# Altium PCB HMI_F767_V1.0_edited.PcbDoc (part 2 of 3)
Units mm, origin at the board's own origin, x right, y up, seen from the top; angles counter-clockwise.
Board outline 215.87 x 145.41 mm, 2 copper layers (Top Layer, Bottom Layer), stack 1.635 mm thick; 236 components, 218 nets, 1089 pads, 471 vias.
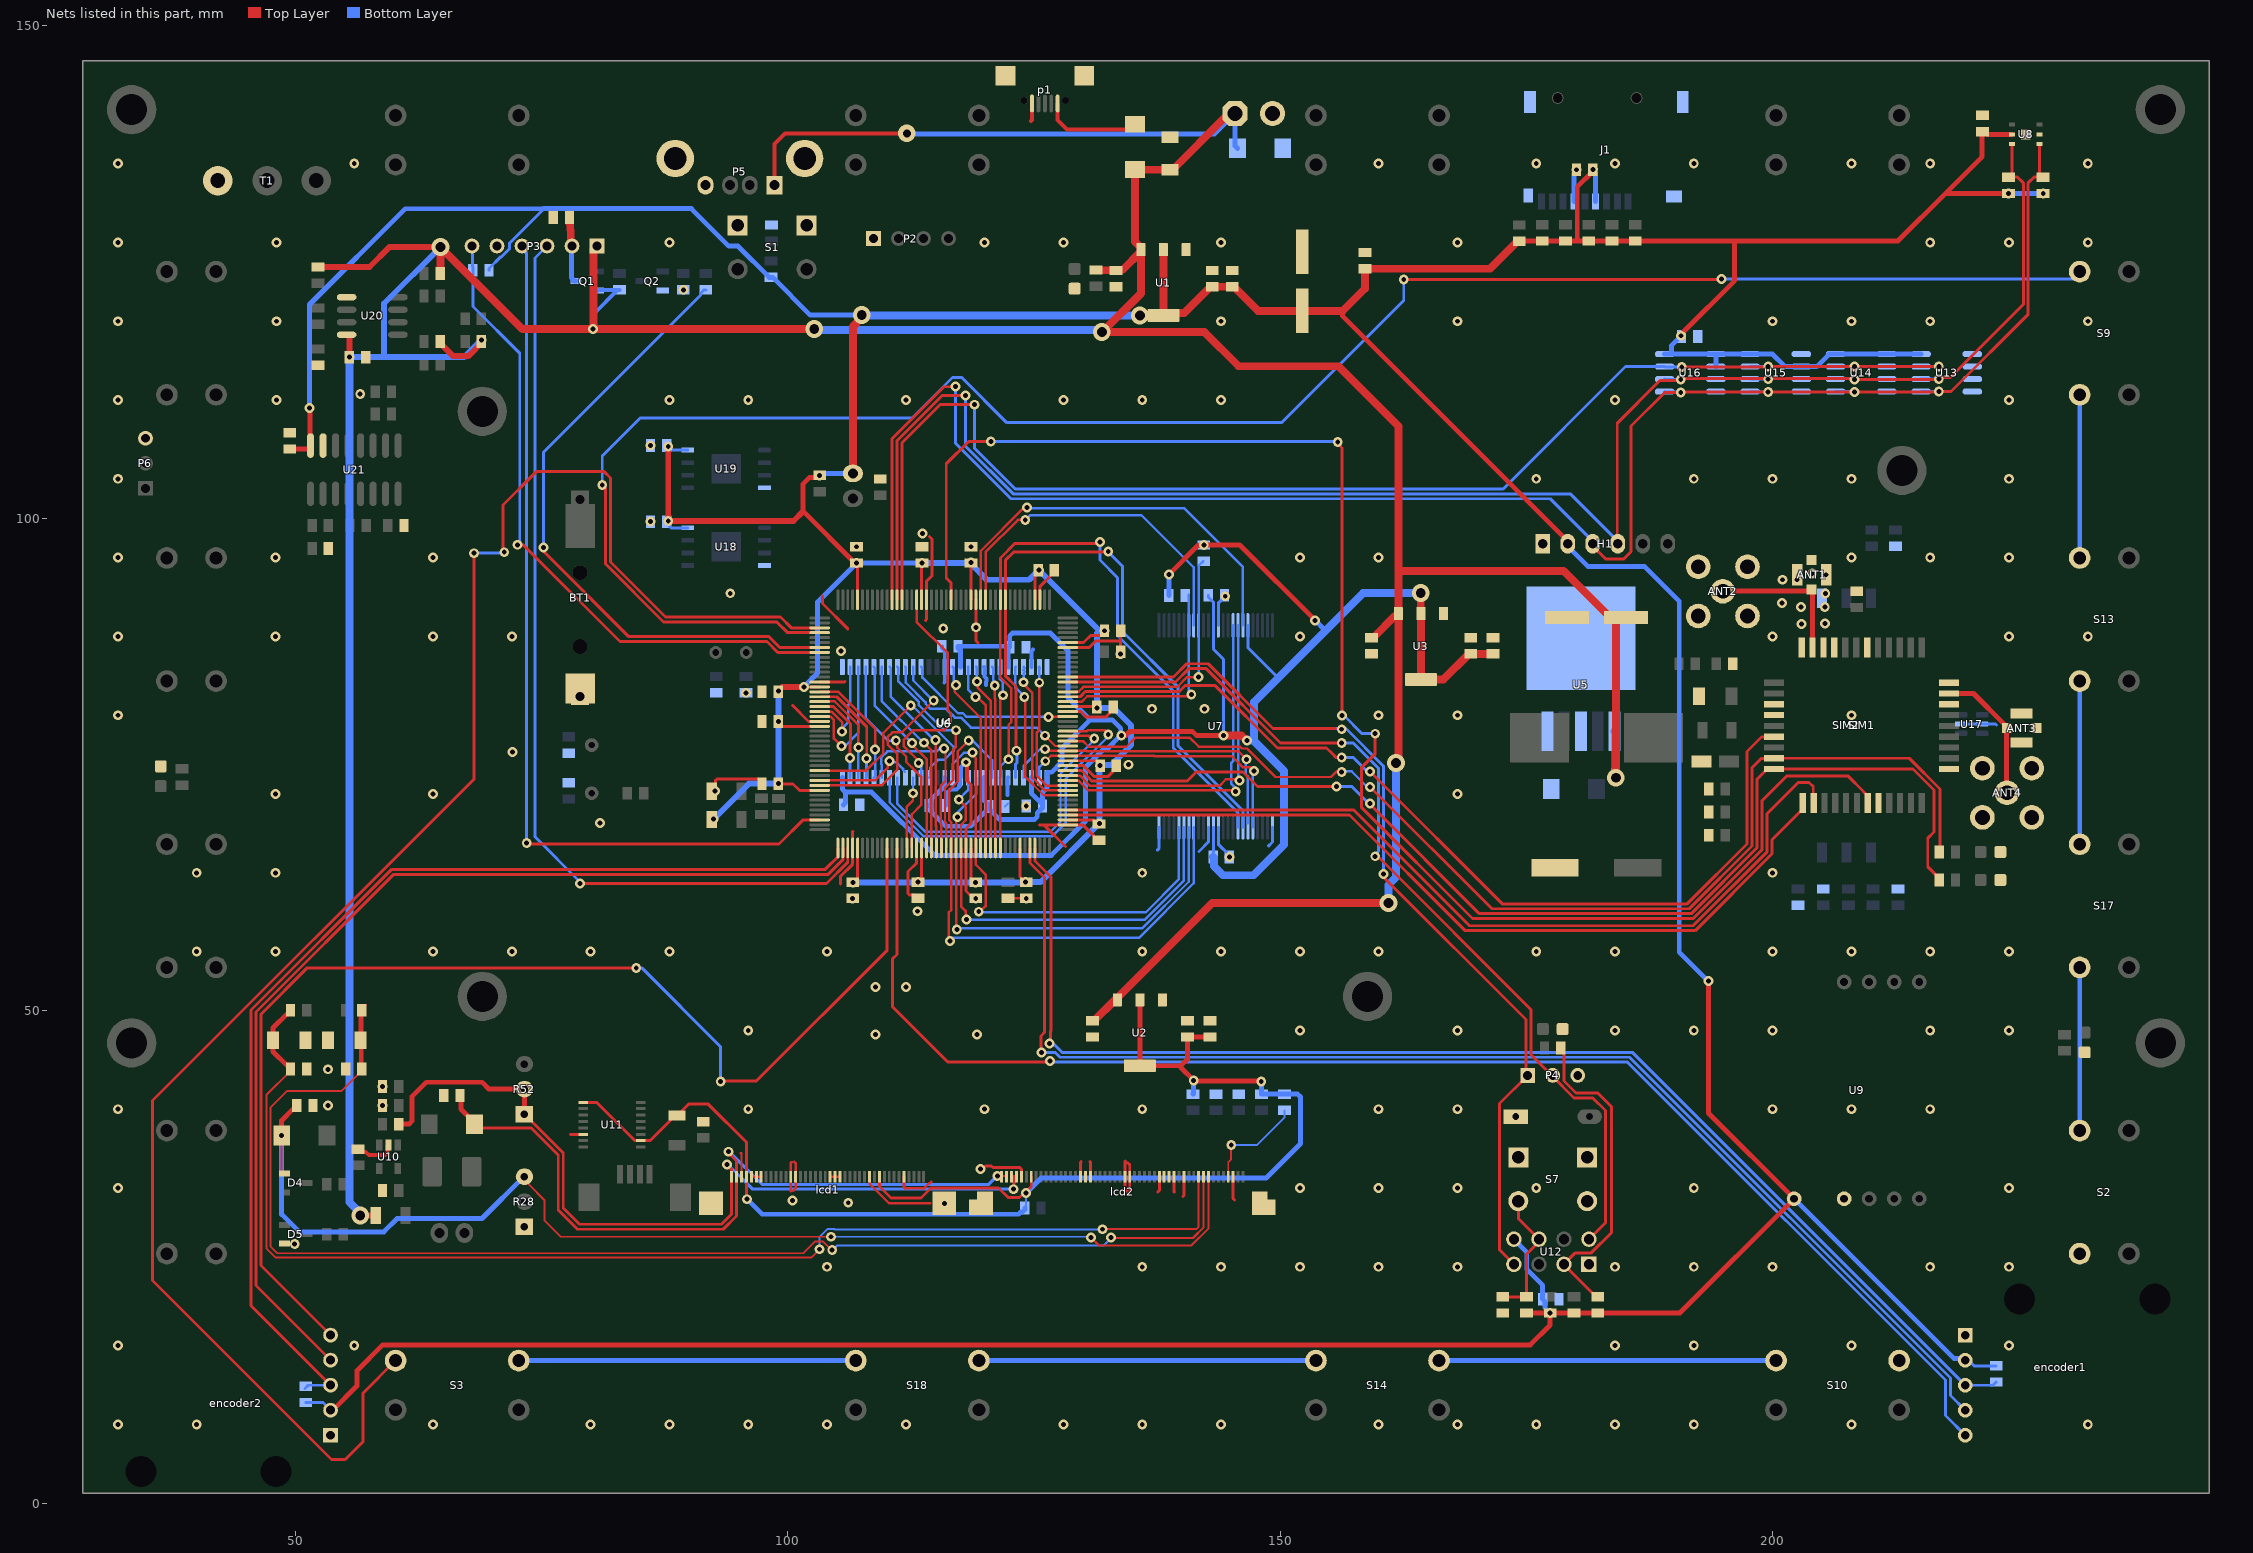
[diagram p2: the nets of this part, all layers, seen from the top]

## Via types
v1: diameter 1, hole 0.5, Top Layer to Bottom Layer, tented both sides, 454 vias
v2: diameter 1.8, hole 1, Top Layer to Bottom Layer, tented both sides, 10 vias
v3: diameter 1, hole 0.5, Top Layer to Bottom Layer, 5 vias
v4: diameter 1.8, hole 0.8, Top Layer to Bottom Layer, tented both sides, 2 vias

## Nets (pads, with @x,y where several pads share a name; then routed paths per layer and width w, separated by ;. In a path a pad name is that pad's centre, name@x,y a point inside that pad or via, vN(x,y) a via of type N, cw(c..) or ccw(c..) an arc to the next point about the centre after c; other vN are vias at no path point) (continued)
+3v3: C2.2 C17.2 C18.2 C19.2 C20.2 C21.2 C22.2 C23.2 C24.2 C25.2 C26.2 C27.2 C28.2 C29.2 C30.2 C31.2 C34.1 C35.2 C45.2 C62.2 C63.2 C64.2 C66.2 C67.2 C71.1 encoder1.2 encoder2.2 H1.2 J1.4 JP1.2 L2.1 R1.2 R9.1 R10.2 R13.1 R14.1 R15.1 R23.2 R24.2 R25.2 R26.2 R27.2 R39.1 R40.1 R45.1 R46.1 R47.2 R48.2 R56.2 U1.2 U1.4 U6.15 U6.23 U6.36 U6.49 U6.62 U6.72 U6.82 U6.91 U6.103 U6.114 U6.127 U6.136 U6.149 U6.159 U6.172 U8.5 U9.1 U12.8 U13.8 U14.1 U14.8 U15.2 U15.8 U16.1 U16.2 U16.8 U18.8 U19.8 U21.16 | length 829.6
  Top Layer w0.3: v3(51.45,111.175) v3@51.505,111.12 ; U21.16@51.505,107.172 U21.16@51.56,107.117 ; L2.1@92.275,69.45 92.275,69.44 L2.1@92.29,69.425 92.45,69.425 v1(92.475,69.45) ; v1(99.05,73.05) 99.075,73.025 100.55,73.025 101.2,72.375 U6.36@103.25,72.375 ; v1(99.05,79.375) 99.05,79.3 99.475,78.875 U6.23@103.25,78.875 ; C28.2@99.05,82.375 v1(99.05,82.475) C28.2@99.45,82.875 ; v1(101.663,82.875) U6.15@103.25,82.875 ; v1(106.625,63) 106.625,63.025 C30.2@106.6,63.05 106.75,63.05 107.1,63.4 U6.49@107.1,66.525 ; v1(107,95.45) 107.1,95.35 U6.172@107.1,91.725 ; C22.2@113.6,63.375 U6.62@113.6,66.525 ; U6.159@113.6,91.725 C27.2@113.6,95 ; C23.2@118.6,63.25 U6.72@118.6,66.525 ; U6.149@118.6,91.725 C29.2@118.6,95.425 ; U6.82@123.6,66.525 123.6,63.6 123.825,63.375 v1(124.15,63.05) ; U6.136@125.1,91.725 125.1,94.3 v1(125.525,94.725) C26.2@125.425,94.725 C26.2@125.425,94.9 ; U6.91@128.45,69.375 131.025,69.375 C17.2@131.45,68.95 ; U6.103@128.45,75.375 131.4,75.375 131.725,75.05 v1(131.725,74.875) ; U6.114@128.45,80.875 131.275,80.875 v1(131.4,80.75) ; U6.127@128.45,87.375 130.05,87.375 130.775,88.1 C24.2@132.025,88.1
  Top Layer w0.5: C71.1@49.45,107.025 51.468,107.025 U21.16@51.56,107.117 ; U21.16@51.505,107.172 v3@51.505,111.12 ; encoder2.2@53.595,9.443 53.818,9.443 56.281,11.906 56.281,13.456 58.9,16.075 175.4,16.075 177.419,18.094 v1(177.419,19.304) ; v1(103.25,104.35) 103.025,104.125 102.2,104.125 101.575,103.5 101.575,100.7 106.825,95.45 v1(107,95.45) ; 156.353,121.053 156.353,120.503 179.197,97.659 H1.2@179.197,97.409 ; R56.2@174.275,128.125 174.285,128.134 180.165,128.134 ; R46.1@175.006,19.304 v1(177.419,19.304) ; v1(181.75,135.425) 181.736,135.411 C45.2@181.736,135.382 181.736,135.207 180.165,133.636 180.165,128.134 ; v1(190.7,118.525) 190.7,118.66 190.95,118.91 190.95,118.925 196.15,124.125 196.15,128.144 ; v1(193.475,53) 193.475,39.619 U9.1@202.184,30.91 190.578,19.304 R48.2@182.245,19.304 R45.1@179.832,19.304 v1(177.419,19.304) ; v1(223.95,132.975) 217.575,132.975 217.563,132.988 ; U8.5@224.3,138.975 221.75,138.975 221.475,139.25 221.275,139.05 221.275,136.7 217.563,132.988 ; R14.1@227.45,132.975 v1(227.475,132.975) ; 180.165,128.134 186.045,128.134 R25.2@186.055,128.144 196.15,128.144 ; 196.15,128.144 212.719,128.144 217.563,132.988
  Top Layer w0.6: v1(87.875,107.275) v1(87.875,99.725) 100.6,99.725 101.575,100.7 ; C28.2@99.45,82.875 v1(101.663,82.875)
  Top Layer w0.8: JP1.2@106.625,104.545 106.625,119.454 107.525,120.354 v2(107.525,120.625) ; v2(135.761,120.589) 135.765,120.585 138.151,120.585 U1.4@138.155,120.581 ; U1.2@138.155,127.271 U1.4@138.155,120.581 ; R56.2@174.275,128.125 174.1,128.125 171.298,125.323 C35.2@158.602,125.323 158.602,123.302 156.353,121.053 C34.1@152.252,121.053 147.764,121.053 145.315,123.502 C2.2@145.14,123.502 R1.2@143.108,123.502 142.933,123.502 140.267,120.836 138.41,120.836 U1.4@138.155,120.581
  Bottom Layer w0.3: R40.1@51.075,10.225 52.813,10.225 encoder2.2@53.595,9.443 ; R15.1@69.675,125.175 69.675,125.35 70.86,126.535 70.941,126.535 71.755,127.349 71.755,127.921 75.209,131.375 ; v1(87.875,99.725) 87.8,99.725 C19.2@87.725,99.65 87.725,99.475 88.17,99.03 U18.8@89.855,99.03 ; C21.2@88.05,106.905 U19.8@89.855,106.905 ; v1(99.05,73.05) v1@99.061,73.061 ; v1(99.05,82.475) v1@99.061,82.464 ; v1@124.1,63 v1(124.15,63.05) ; encoder1.2@219.555,14.513 219.88,14.513 220.443,13.95 R39.1@222.7,13.95
  Bottom Layer w0.5: v3(51.45,111.175) 51.45,121.695 61.175,131.42 75.201,131.42 ; 75.2,131.425 90.218,131.425 94.018,127.625 94.959,127.625 98.123,124.461 R9.1@98.298,124.461 98.473,124.461 102.309,120.625 v2(107.525,120.625) ; v1(101.663,82.875) 101.675,82.875 102.05,83.25 102.05,83.3 103.025,84.275 103.025,91.475 v1(107,95.45) v1(113.65,95.45) ; v1(103.25,104.35) 103.385,104.35 103.58,104.545 JP1.2@106.625,104.545 ; U12.8@173.738,26.797 175.041,25.495 175.041,23.744 176.658,22.127 C64.2@176.658,20.701 176.883,20.476 176.883,19.847 177.419,19.311 v1(177.419,19.304) ; H1.2@179.197,97.409 179.197,97.159 181.272,95.084 187.016,95.084 190.525,91.575 190.525,55.95 v1(193.475,53) ; v1(181.75,135.425) 181.75,135.29 182.034,135.006 J1.4@182.034,132.164 ; U16.8@189.038,116.666 U16.8@189.692,116.666 ; v1(190.7,118.525) 190.719,118.525 189.749,117.556 189.749,116.724 U16.8@189.692,116.666 ; U16.2@194.238,115.396 U16.1@194.238,116.666 ; U9.1@202.184,30.91 218.39,14.704 219.364,14.704 encoder1.2@219.555,14.513 ; U13.8@215.073,116.666 U14.1@211.595,116.666 U14.8@206.395,116.666 205.741,116.666 204.471,115.396 U15.2@202.916,115.396 202.892,115.42 201.23,115.42 199.984,116.666 U15.8@197.716,116.666 U16.1@194.238,116.666 ; v1(223.95,132.975) v1(227.475,132.975) ; U16.8@189.692,116.666 U16.1@194.238,116.666
  Bottom Layer w0.6: v1(92.475,69.45) 96.075,73.05 v1(99.05,73.05) ; v1@99.061,73.061 99.061,79.289 v1@99.061,82.464 ; v1(106.625,63) 106.65,63.025 113.2,63.025 v1(113.225,63.05) 113.25,63.025 118.825,63.025 118.85,63 v1(119.075,63) v1@124.1,63 ; v1(113.65,95.45) 118.55,95.45 v1(118.6,95.5) 118.6,95.392 119.525,94.467 119.525,94.45 120.225,93.75 124.52,93.75 125.495,94.725 v1(125.525,94.725) 131.598,88.652 v1@131.727,88.652 ; v1(124.15,63.05) 125.675,63.05 v1(131.65,69.025) v1@131.65,74.6 ; v1@131.65,74.69 131.65,74.692 131.91,74.952 132.852,74.952 134.875,76.975 134.875,78.95 133.075,80.75 v1(131.4,80.75) 131.4,88.325 v1@131.727,88.652 ; v1@132.098,88.652 v1@131.727,88.652
  Bottom Layer w0.8: v2(107.525,120.625) 107.55,120.6 135.75,120.6 v2(135.761,120.589)
  other v1: 132.175,88.575
+3v3_lcd: C4.2 L5.2 lcd1.4 lcd1.31 lcd2.7 R2.2 R29.2 R35.2 R37.2 R38.2 U2.2 U2.4 U11.1 U11.10 | length 144.1
  Top Layer w0.3: U11.1@79.254,40.7 80.602,40.7 84.5,36.802 85.088,36.802 U11.10@85.09,36.8 86.035,36.8 L5.2@88.591,39.356 ; L5.2@88.423,39.356 L5.2@88.591,39.356 ; L5.2@88.682,39.447 L5.2@88.591,39.356 ; v1(95.885,30.861) 95.815,30.931 lcd1.4@95.815,33.147 95.815,36.646 91.948,40.513 89.93,40.513 L5.2@88.773,39.356 L5.2@88.591,39.356 ; lcd1.31@109.315,33.147 109.315,32.164 110.491,30.988 113.537,30.988 114.553,32.004 121.412,32.004 122.389,31.027 123.548,31.027 124.144,31.623 124.206,31.623 124.732,32.149 lcd2.7@124.732,33.147
  Top Layer w0.5: U2.2@135.763,51.097 U2.4@135.763,44.407 139.911,44.407 ; C4.2@142.875,47.328 R2.2@140.589,47.328 140.589,45.085 139.911,44.407 ; v1(148.082,42.799) 148.018,42.862 141.287,42.862 v1(141.224,42.926) 139.911,44.239 139.911,44.407
  Bottom Layer w0.2: R29.2@124.079,29.972 124.206,30.099 v1(124.206,31.496)
  Bottom Layer w0.5: v1(95.885,30.861) 97.409,29.337 123.444,29.337 123.679,29.572 123.854,29.572 124.079,29.797 R29.2@124.079,29.972 ; v1(124.206,31.496) 125.73,33.02 148.59,33.02 152.073,36.503 152.073,41.235 151.78,41.528 R37.2@150.431,41.528 R38.2@148.114,41.528 148.098,41.544 148.098,42.783 v1(148.082,42.799) ; R35.2@141.16,41.528 141.192,41.56 141.192,42.894 v1(141.224,42.926)
+3v3_ram: C7.2 C56.2 C57.2 C68.2 C69.2 C72.2 C74.2 C75.2 C76.2 R5.2 R11.2 R12.1 U3.2 U3.4 U4.1 U4.3 U4.9 U4.14 U4.27 U4.43 U4.49 U7.12 U7.19 U7.37 | length 239.3
  Top Layer w0.5: v1(133.875,77.95) 134.335,77.95 134.71,78.325 141.12,78.325 141.495,77.95 v1(144.25,77.95) ; v1(138.725,94.3) 141.65,97.225 142.2,97.225 v1(142.25,97.275) 145.9,97.275 v1(153.55,89.625)
  Top Layer w0.8: v1(144.25,77.95) 146.065,77.95 146.568,77.447 v1(146.622,77.447) ; v2(164.275,92.4) 164.275,83.66 U3.4@164.31,83.625 ; U3.2@164.3,90.325 U3.4@164.3,83.635 U3.4@164.31,83.625 ; C7.2@171.625,86.225 R5.2@169.35,86.225 169.175,86.225 166.575,83.625 U3.4@164.31,83.625
  Bottom Layer w0.3: C56.2@142.7,92.175 142.7,92 143.225,91.475 U7.12@143.225,89.125 143.225,86.7 144.25,85.675 v1(144.25,77.95) ; C76.2@143.2,65.6 143.225,65.625 U7.37@143.225,68.625 ; U7.19@146.725,89.125 146.725,86.85 149.8,83.775
  Bottom Layer w0.5: U4.27@105.55,73.66 105.55,72.493 105.843,72.2 108.5,72.2 114.925,65.775 126.775,65.775 130.241,69.241 130.241,74.734 132.132,76.625 132.5,76.625 v1@133.775,77.9 ; C75.2@105.675,70.9 105.892,71.118 105.892,72 ; U4.14@115.95,73.66 115.95,72.81 115.55,72.41 115.535,72.41 114.575,71.45 114.575,71.05 C68.2@114.35,70.825 114.575,70.6 114.575,70.2 116.05,68.725 118.575,68.725 C74.2@120.4,70.55 ; U4.43@117.55,84.9 117.55,86.575 117.3,86.825 C57.2@117.3,87 C72.2@122.55,87 ; U4.9@119.95,73.66 119.95,71.35 120.4,70.9 C74.2@120.4,70.725 C74.2@120.4,70.55 ; U4.49@122.35,84.9 122.35,86.7 C72.2@122.55,86.9 122.55,88.057 122.843,88.35 126.675,88.35 128.45,86.575 128.45,81.8 130.725,79.525 ; U4.3@124.75,73.66 124.75,72.075 C69.2@125.875,70.95 ; v1(133.875,77.95) 133.816,78.009 133.816,78.659 132.95,79.525 130.725,79.525 ; R11.2@138.7,92.15 138.7,94.275 v1(138.725,94.3) ; v1(153.55,89.625) 154.6,88.575 ; C74.2@120.4,70.55 121.55,69.4 125.05,69.4 125.343,69.693 125.343,70.068 125.875,70.6 C69.2@125.875,70.775 C69.2@125.875,70.95 ; C69.2@125.875,70.95 125.875,72.175 126.35,72.65 U4.1@126.35,73.66 126.35,74.21 126.81,74.21 127.85,75.25 127.85,76.65 130.725,79.525
  Bottom Layer w0.8: C76.2@143.2,65.6 143.275,65.525 143.275,64.675 144.2,63.75 147.3,63.75 150.4,66.85 150.4,74.325 147.35,77.375 ; v1(146.622,77.447) 146.66,77.409 147.317,77.409 147.35,77.375 ; v2(164.275,92.4) 158.425,92.4 154.6,88.575 149.8,83.775 147.35,81.325 147.35,77.375
+5: C1.2 C3.2 C6.2 C10.1 C58.1 D9.2 D14.2 D15.2 L6.2 P3.1 P5.1 PC1.1 Q1.2 R3.2 R41.1 R42.1 R43.1 R44.1 R49.1 U1.3 U2.3 U3.3 U5.1 U20.8 | length 487.8
  Top Layer w0.4: P5.1@98.657,133.815 98.657,138.007 99.725,139.075 v4(112.1,139.075)
  Top Layer w0.6: R44.1@52.325,125.5 57.538,125.5 59.563,127.525 v2@64.725,127.525 ; U20.8@55.225,118.627 55.488,118.627 55.5,118.615 v1(55.5,116.35) ; v2(56.6,29.2) 56.605,29.205 58.175,29.205 L6.2@58.18,29.21 ; R43.1@64.725,117.95 64.725,117.775 66.05,116.45 67.582,116.45 68.301,117.169 68.301,117.176 68.9,117.775 R42.1@68.9,117.95 v1(68.9,118.1)
  Top Layer w0.8: R41.1@64.725,124.85 64.738,124.862 v2@64.738,127.513 ; v2@64.725,127.525 v2(64.75,127.525) 73.075,119.2 v1(80.25,119.2) ; P3.1@80.645,127.635 80.3,127.29 80.3,119.25 v1(80.25,119.2) ; v2(102.7,119.2) v1(80.25,119.2) ; C1.2@130.937,48.978 131.112,48.978 133.231,51.097 U2.3@133.473,51.097 133.473,51.287 143.111,60.925 v2(161,60.925) ; R3.2@131.297,125.195 131.319,125.173 133.307,125.173 C3.2@133.329,125.152 133.404,125.227 134.011,125.227 U1.3@135.865,127.081 ; v2(131.9,118.9) v2@131.95,118.9 ; PC1.1@145.415,141.097 144.946,140.628 144.332,140.628 139.086,135.382 D9.2@138.811,135.382 D9.2@138.811,135.382 135.256,135.383 135.255,135.384 135.255,128.071 135.865,127.461 U1.3@135.865,127.271 U1.3@135.865,127.081 ; C58.1@159.275,87.875 159.45,87.875 161.645,90.07 U3.3@161.945,90.07 ; v2(161.775,75.15) 161.775,75.5 162.01,75.735 162.01,90.07 U3.3@161.945,90.07 ; v2(184.084,73.654) 184.084,89.457 184,89.541 C10.1@184.375,89.916 ; C10.1@185.118,89.916 C10.1@184.375,89.916 ; v2@131.95,118.9 142.31,118.9 145.785,115.425 155.925,115.425 162.01,109.34 162.01,94.65 ; v2@131.95,118.9 135.865,122.815 U1.3@135.865,127.081 ; U3.3@161.945,90.07 162.01,90.135 U3.3@162.01,90.325 162.01,94.65 ; 162.01,94.65 178.784,94.65 183.518,89.916 C10.1@184.375,89.916
  Bottom Layer w0.4: v1(80.25,119.2) 80.375,119.325 80.375,120.81 R49.1@82.725,123.16 ; Q1.2@80.754,123.129 80.785,123.16 R49.1@82.725,123.16 ; R49.1@82.931,123.191 82.756,123.191 R49.1@82.725,123.16 ; v4(112.1,139.075) v4@112.164,139.011
  Bottom Layer w0.5: v4@112.164,139.011 143.329,139.011 PC1.1@145.415,141.097 145.415,137.81 D15.2@145.675,137.55
  Bottom Layer w0.6: v1(55.5,116.35) 59.025,116.35 ; v2(64.75,127.525) 59.025,121.8 59.025,116.35 ; v1(68.9,118.1) 67.15,116.35 59.025,116.35
  Bottom Layer w0.8: v1(55.5,116.35) 55.5,30.571 56.6,29.471 v2(56.6,29.2) ; v2(102.7,119.2) 102.775,119.125 131.675,119.125 v2(131.9,118.9) ; v2(161,60.925) 161,62.775 161.775,63.55 v2(161.775,75.15) ; U5.1@183.945,78.359 184.035,78.269 184.035,74.53 184,74.495 184.084,74.411 v2(184.084,73.654)
+5_vbus: D14.1 p1.1 | length 10.2
  Top Layer w0.4: p1.1@127.411,142.11 127.411,140.439 128.375,139.475 134.75,139.475 D14.1@135.275,140
+10V4: C46.1 D3.2 D4.1 lcd2.43 R28.2 | length 123.2
  Top Layer w0.2: v1(48.627,37.338) 48.627,33.662 48.827,33.462 D4.1@48.913,33.462 ; R28.2@73.279,33.147 73.279,32.818 73.716,32.381 75.311,30.753 75.311,28.702 76.962,27.051 v1(104.394,27.051) ; v1(130.81,26.962) 131.61,26.162 140.958,26.162 142.732,27.935 lcd2.43@142.732,33.147
  Top Layer w0.5: v1(48.627,37.338) 48.627,38.847 49.766,39.986 49.941,39.986 50.166,40.211 C46.1@50.166,40.386
  Bottom Layer w0.2: v1(104.394,27.051) 130.721,27.051 v1(130.81,26.962)
  Bottom Layer w0.5: v1(48.627,37.338) 48.627,29.323 50.4,27.55 59.009,27.55 60.357,28.898 68.967,28.898 R28.2@73.216,33.147
+16V: C50.1 D7.2 lcd2.41 R30.2 | length 129.2
  Top Layer w0.2: C50.1@49.53,44.069 49.53,43.894 47.077,41.441 47.077,25.898 48.05,24.925 102.395,24.925 v1(103.251,25.781) ; v1(131.953,27.813) 141.478,27.813 141.732,28.067 lcd2.41@141.732,33.147
  Top Layer w0.5: C50.1@49.53,44.069 49.53,44.244 49.305,44.469 49.13,44.469 47.755,45.844 D7.2@47.755,46.99 47.755,48.263 49.13,49.638 49.305,49.638 49.53,49.863 R30.2@49.53,50.038
  Bottom Layer w0.2: v1@103.251,25.608 v1(103.251,25.781) 103.251,27.039 104.063,27.851 104.725,27.851 104.776,27.8 131.94,27.8 v1(131.953,27.813)
-7V: C49.2 D6.1 lcd2.42 R31.1 | length 134
  Top Layer w0.2: R31.1@56.767,50.038 56.767,50.213 57.142,50.588 R31.1@57.186,50.588 ; C49.2@56.769,44.069 56.769,43.894 54.725,41.85 49.175,41.85 47.477,40.152 47.477,26.064 48.166,25.375 101.6,25.375 102.806,26.581 103.582,26.581 104.471,25.692 v1(104.521,25.692) ; v1(132.842,26.962) 132.88,26.924 141.155,26.924 142.232,28.001 lcd2.42@142.232,33.147
  Top Layer w0.5: R31.1@56.767,50.038 56.705,49.975 56.705,47.053 D6.1@56.642,46.99 56.706,46.926 56.706,44.133 C49.2@56.769,44.069
  Bottom Layer w0.2: v1(104.521,25.692) 104.547,25.692 105.017,26.162 132.08,26.162 132.842,26.924 v1(132.842,26.962)
ANT: ANT1.S ANT2.1 SIM1.32 | length 14.8
  Top Layer w0.5: ANT2.1@195.25,92.595 203.95,92.595 ANT1.S@204.072,92.717 ; SIM1.32@204.054,86.852 204.072,86.869 ANT1.S@204.072,92.717 ; ANT1.S@204.089,92.734 ANT1.S@204.072,92.717
BL_+: C51.1 D8.2 lcd1.2 lcd2.1 lcd2.2 | length 74.9
  Top Layer w0.2: lcd2.1@121.732,33.147 121.732,33.235 122.182,33.235 122.232,33.185 lcd2.2@122.232,33.147
  Top Layer w0.3: D8.2@68.213,38.481 68.594,38.1 73.969,38.1 76.708,35.361 76.708,29.773 78.668,27.813 93.472,27.813 94.815,29.156 lcd1.2@94.815,33.147 94.815,34.734 93.98,35.569 v1(93.98,35.687)
  Top Layer w0.5: C51.1@66.738,41.402 66.842,41.298 66.842,40.002 68.213,38.631 D8.2@68.213,38.481
  Bottom Layer w0.3: v1(93.98,35.687) 94.073,35.687 97.385,32.375 120.425,32.375 v1(121.285,33.235)
BL_-: lcd1.1 lcd2.3 lcd2.4 R32.2 R52.1 R52.3 | length 85.1
  Top Layer w0.3: R52.1@73.279,39.497 73.343,39.497 74.018,38.821 74.018,38.758 77.216,35.56 77.216,29.972 78.867,28.321 93.273,28.321 94.315,29.363 lcd1.1@94.315,33.147 ; v1(93.834,34.373) 93.834,34.329 94.315,33.847 lcd1.1@94.315,33.401 ; lcd2.3@122.732,33.147 122.982,33.147 ; v1(122.936,31.877) 122.982,31.923 122.982,33.147 ; lcd2.4@123.232,33.147 122.982,33.147
  Top Layer w0.5: R32.2@60.515,38.481 61.556,38.481 61.849,38.774 61.849,41.275 63.308,42.734 68.982,42.734 69.679,42.037 R52.3@73.279,42.037 R52.1@73.279,39.497
  Bottom Layer w0.3: v1(93.834,34.373) 93.953,34.373 96.451,31.875 122.934,31.875 v1(122.936,31.877)
BT_ANT: ANT3.S ANT4.1 SIM1.20 | length 14
  Top Layer w0.5: SIM1.20@217.932,82.201 220.393,82.201 223.525,79.069 223.525,78.95 ANT3.S@223.775,78.7 223.725,78.65 223.725,72.2 ANT4.1@223.8,72.125
DITH: lcd2.47 R37.1 | length 10.6
  Top Layer w0.2: lcd2.47@144.732,33.147 144.732,34.634 145.034,34.937 v1(145.034,36.36)
  Bottom Layer w0.2: v1(145.034,36.36) 147.65,36.36 150.431,39.141 R37.1@150.431,39.878
EEP_SCL: H1.4 R13.2 U6.164 U8.6 U13.6 U14.6 U15.6 U16.6 | length 183.8
  Top Layer w0.3: U6.164@111.1,91.725 111.1,107.864 115.711,112.475 v1(118.05,112.475) ; H1.4@184.277,97.409 184.225,97.461 184.225,109.65 188.55,113.975 190.55,113.975 v1(190.675,114.1) ; v1@190.8,114.1 190.875,114.175 199.55,114.175 v1@208.3,114.175 ; v1(208.3,114.1) 216.775,114.1 v1@216.844,114.169 ; v1(216.875,114.137) 217.009,114.271 218.021,114.271 225.45,121.7 225.45,134.05 224.875,134.625 R13.2@224.137,134.625 ; R13.2@223.95,134.625 R13.2@224.137,134.625 ; U8.6@224.3,137.975 224.3,134.95 224.137,134.788 R13.2@224.137,134.625
  Bottom Layer w0.3: v1(118.05,112.475) 118.05,107.318 122.893,102.475 179.461,102.475 184.277,97.659 H1.4@184.277,97.409 ; U16.6@189.038,114.126 189.076,114.088 v1@190.675,114.088 ; U15.6@197.716,114.126 v1@199.549,114.125 ; U14.6@206.395,114.126 206.432,114.163 208.362,114.163 v1@208.375,114.15 ; U13.6@215.073,114.126 215.098,114.15 216.825,114.15 v1@216.85,114.175
  other v1: 199.55,114.112
EEP_SDA: H1.3 R14.2 U6.165 U8.1 U13.5 U14.5 U15.5 U16.5 | length 188.3
  Top Layer w0.3: U6.165@110.6,91.725 110.6,108.071 115.879,113.35 116.85,113.35 116.875,113.375 v1(117.05,113.375) ; H1.3@181.737,97.409 181.737,97.159 183.021,95.875 184.9,95.875 185.625,96.6 185.625,109.35 189.025,112.75 v1(190.675,112.75) ; v1@190.775,112.75 190.837,112.812 199.55,112.812 208.3,112.812 216.813,112.812 v1(216.875,112.875) 218.125,112.875 225.95,120.7 225.95,134.05 226.526,134.626 226.95,134.626 226.95,134.675 227.1,134.825 227.25,134.825 R14.2@227.45,134.625 ; U8.1@227.1,137.975 227.1,134.95 R14.2@227.237,134.813
  Bottom Layer w0.3: v1(117.05,113.375) 117.05,107.611 122.686,101.975 177.421,101.975 181.737,97.659 H1.3@181.737,97.409 ; U16.5@189.038,112.856 189.091,112.803 190.722,112.803 v1@190.775,112.75 ; U15.5@197.716,112.856 197.732,112.84 199.535,112.84 v1(199.55,112.825) ; U14.5@206.395,112.856 206.404,112.865 208.235,112.865 v1(208.3,112.8) ; U13.5@215.073,112.856 215.083,112.865 216.865,112.865 v1(216.875,112.875)
EEP_WP: U6.163 U13.7 U14.7 U15.7 U16.7 | length 139.7
  Top Layer w0.3: U6.163@111.6,91.725 111.6,107.657 115.468,111.525 v1(118.975,111.525) ; v1(190.776,115.349) 190.802,115.374 199.526,115.374 199.55,115.35 199.6,115.4 208.25,115.4 208.3,115.35 208.35,115.4 v1@216.85,115.4
  Bottom Layer w0.3: v1(118.975,111.525) 118.975,107.1 123.1,102.975 172.65,102.975 185.071,115.396 U16.7@189.038,115.396 189.062,115.372 190.753,115.372 v1(190.776,115.349) ; U15.7@197.716,115.396 197.718,115.398 199.548,115.398 v1(199.55,115.4) ; U14.7@206.395,115.396 206.397,115.398 208.348,115.398 v1@208.35,115.4 ; U13.7@215.073,115.396 215.075,115.398 216.848,115.398 v1@216.85,115.4
  other v1: 208.3,115.4 216.875,115.4
EN1_A: encoder1.5 U6.57 | length 145.4